# Altium PCB Module 22 PCB Routing.PcbDoc (part 2 of 2)
Units mil, origin at the board's own origin, x right, y up, seen from the top; angles counter-clockwise.
Board outline 4005 x 4000 mil, 4 copper layers (Top Layer, GND, 5V, Bottom Layer), stack 52.634 mil thick; 53 components, 70 nets, 266 pads, 42 vias.
Unrouted connection lines stored in the file: 25.
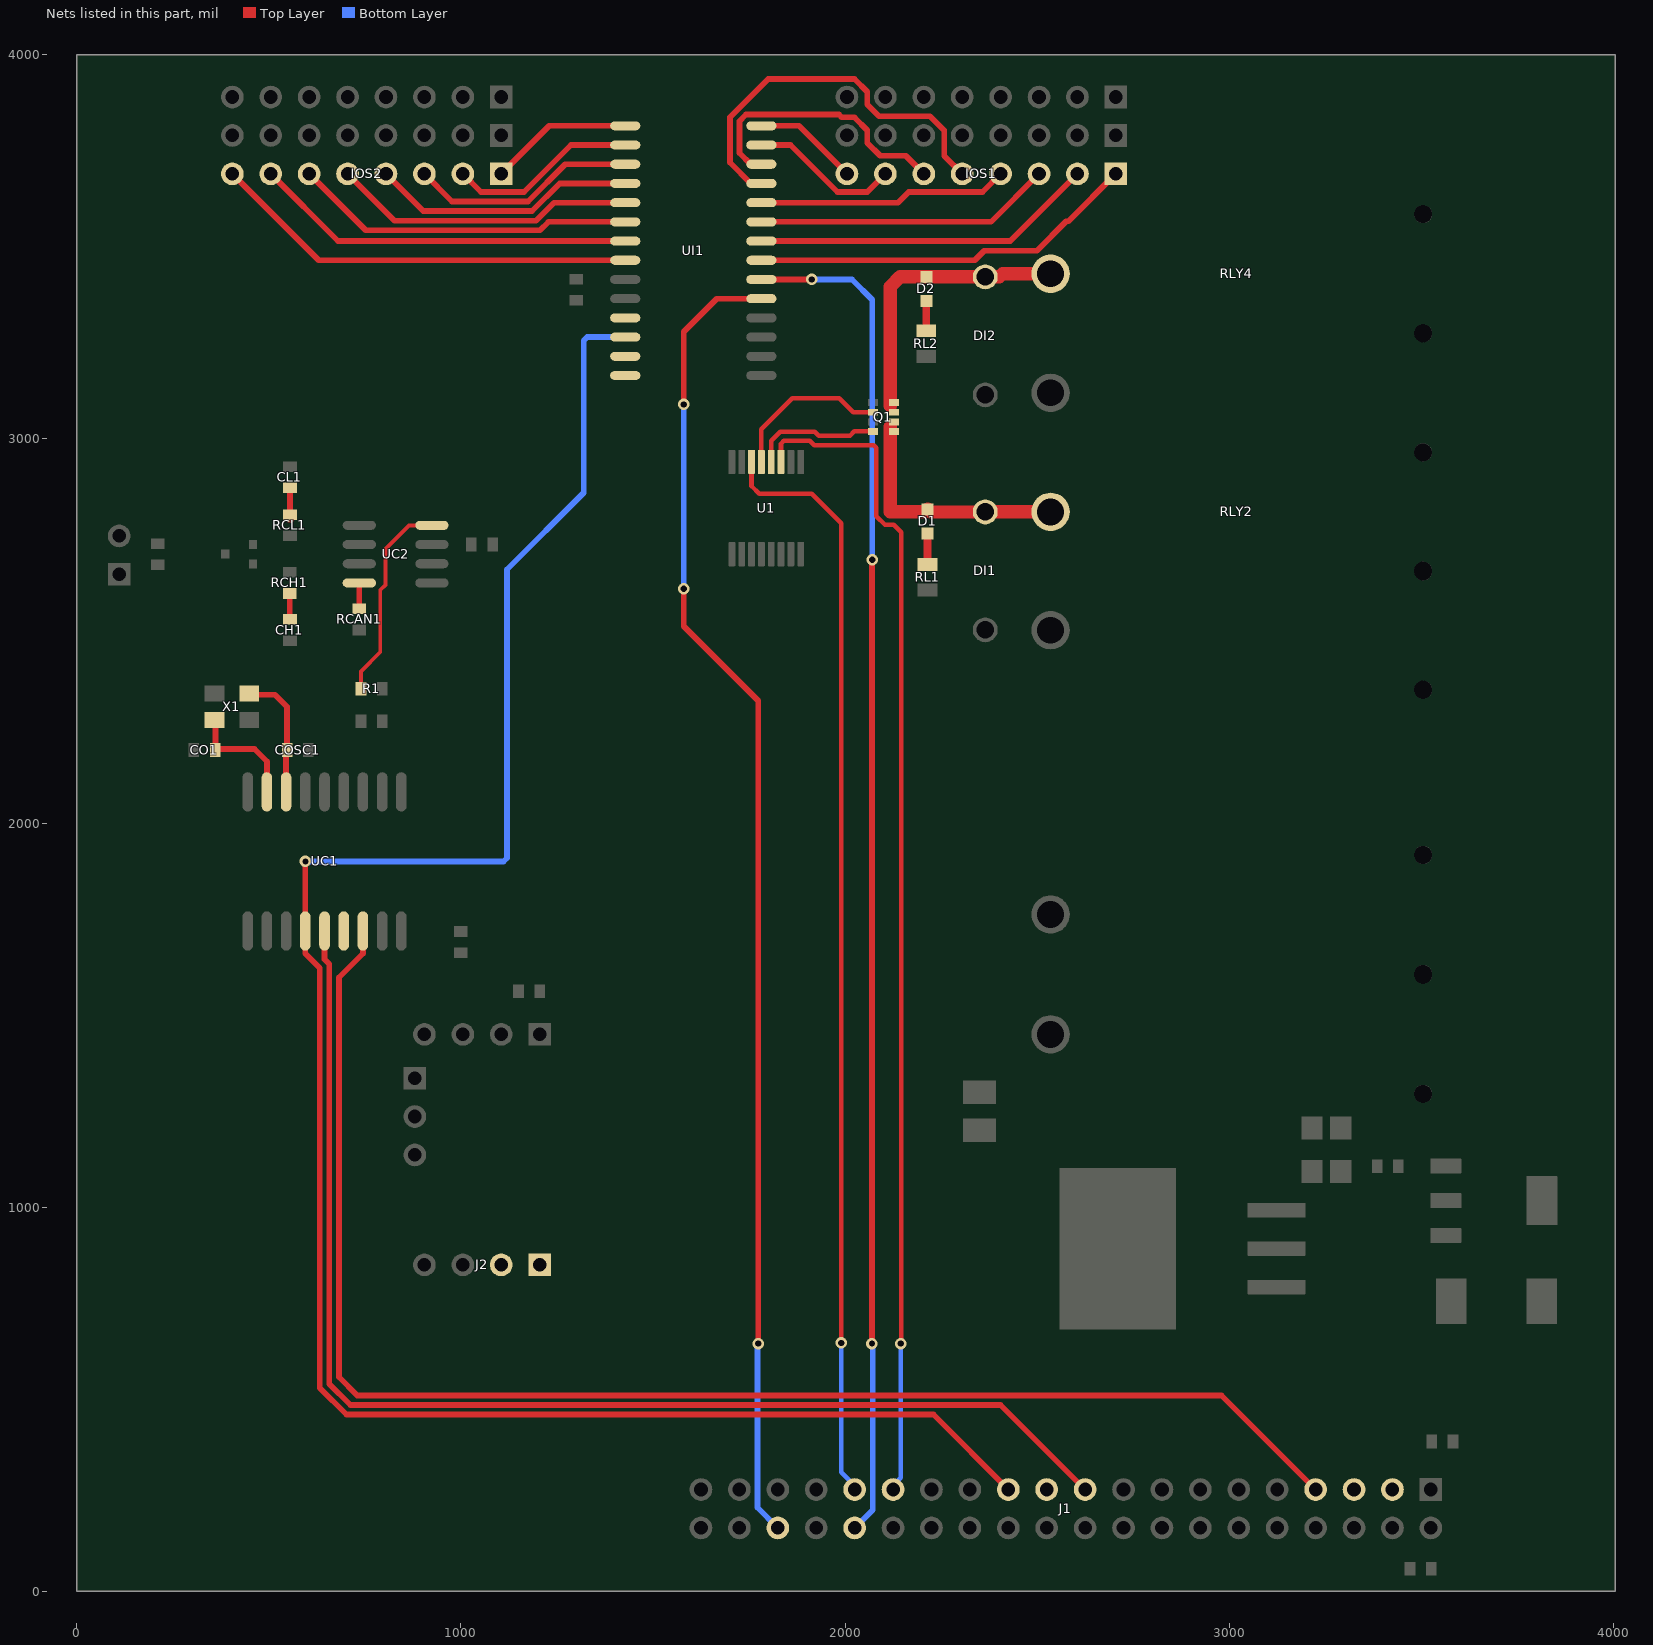
[diagram p4: the nets of this part, all layers, seen from the top]

## Via types
v1: diameter 30, hole 16, Top Layer to Bottom Layer, 25 vias
v2: diameter 25, hole 12, Top Layer to Bottom Layer, 8 vias
v3: diameter 50, hole 28, Top Layer to Bottom Layer, 5 vias
v4: diameter 244.09, hole 108.27, Top Layer to Bottom Layer, 4 vias

## Nets (pads, with @x,y where several pads share a name; then routed paths per layer and width w, separated by ;. In a path a pad name is that pad's centre, name@x,y a point inside that pad or via, vN(x,y) a via of type N, cw(c..) or ccw(c..) an arc to the next point about the centre after c; other vN are vias at no path point) (continued)
INT1: J1.32 UI1.20 | length 3528.5
  Top Layer w15: UI1.20@1782.17,3415 v1(1913.51,3415) ; v1(2070,644.73) 2070,2684.55 v1(2070.98,2685.54)
  Bottom Layer w15: v1(1913.51,3415) 2018,3415 2070.98,3362.02 v1(2070.98,2685.54) ; J1.32@2025,165 2072.03,212.03 2072.03,642.71 v1(2070,644.73)
INT2: J1.36 UI1.19 | length 3455.1
  Top Layer w15: v1(1580,2610) 1580,2512.56 1774.19,2318.37 v1(1774.19,644.73) ; v1(1580,3090) 1580,3279 1666,3365 UI1.19@1782.17,3365
  Bottom Layer w15: v1(1580,2610) v1(1580,3090) ; v1(1774.19,644.73) 1772.03,642.57 1772.03,217.97 J1.36@1825,165
IOA_0: IOS1.1 UI1.21 | length 1016
  Top Layer w15: UI1.21@1782.17,3465 2337.54,3465 2362.54,3490 2499.54,3490 2576.03,3566.49 2581.49,3566.49 IOS1.1@2705,3690
IOA_1: IOS1.2 UI1.22 | length 895.3
  Top Layer w15: UI1.22@1782.17,3515 2430,3515 IOS1.2@2605,3690
IOA_2: IOS1.3 UI1.23 | length 774.6
  Top Layer w15: UI1.23@1782.17,3565 2380,3565 IOS1.3@2505,3690
IOA_3: IOS1.4 UI1.24 | length 653.9
  Top Layer w15: UI1.24@1782.17,3615 2137.64,3615 2165.61,3642.97 2357.97,3642.97 IOS1.4@2405,3690
IOA_4: IOS1.5 UI1.25 | length 1029.1
  Top Layer w15: UI1.25@1782.17,3665 1754.61,3665 1700.3,3719.31 1700.3,3837.5 1799.83,3937.03 2024.48,3937.03 2057.97,3903.54 2057.97,3870.52 2088.49,3840 2221.51,3840 2257.97,3803.54 2257.97,3737.03 IOS1.5@2305,3690
IOA_5: IOS1.6 UI1.26 | length 721.9
  Top Layer w15: UI1.26@1782.17,3715 1754.61,3715 1725.3,3744.31 1725.3,3827.14 1742.47,3844.31 1984.18,3844.31 1991.47,3837.03 2024.48,3837.03 2057.97,3803.54 2057.97,3770.52 2091.47,3737.03 2157.97,3737.03 IOS1.6@2205,3690
IOA_6: IOS1.7 UI1.27 | length 392.9
  Top Layer w15: UI1.27@1782.17,3765 1858.08,3765 1980.11,3642.97 2057.97,3642.97 IOS1.7@2105,3690
IOA_7: IOS1.8 UI1.28 | length 274.6
  Top Layer w15: UI1.28@1782.17,3815 1880,3815 IOS1.8@2005,3690
IOB_0: IOS2.1 UI1.1 | length 374.6
  Top Layer w15: IOS2.1@1105,3690 1230,3815 UI1.1@1427.84,3815
IOB_1: IOS2.2 UI1.2 | length 492.9
  Top Layer w15: IOS2.2@1005,3690 1052.03,3642.97 1164.39,3642.97 1286.42,3765 UI1.2@1427.84,3765
IOB_2: IOS2.3 UI1.3 | length 592.9
  Top Layer w15: IOS2.3@905,3690 977.03,3617.97 1174.74,3617.97 1271.77,3715 UI1.3@1427.84,3715
IOB_3: IOS2.4 UI1.4 | length 692.9
  Top Layer w15: IOS2.4@805,3690 902.03,3592.97 1185.1,3592.97 1257.13,3665 UI1.4@1427.84,3665
IOB_4: IOS2.5 UI1.5 | length 792.9
  Top Layer w15: IOS2.5@705,3690 827.03,3567.97 1195.45,3567.97 1242.48,3615 UI1.5@1427.84,3615
IOB_5: IOS2.6 UI1.6 | length 892.9
  Top Layer w15: IOS2.6@605,3690 752.03,3542.97 1205.81,3542.97 1227.84,3565 UI1.6@1427.84,3565
IOB_6: IOS2.7 UI1.7 | length 995.3
  Top Layer w15: IOS2.7@505,3690 680,3515 UI1.7@1427.84,3515
IOB_7: IOS2.8 UI1.8 | length 1116
  Top Layer w15: IOS2.8@405,3690 630,3465 UI1.8@1427.84,3465
IOexpand_C\S\: J1.7 UC1.16 UI1.11 | length 3850.8
  Top Layer w15: UC1.16@745,1718.9 745,1660.22 682.5,1597.72 682.5,557.68 730.18,510 2980,510 J1.7@3225,265
NetCH1_1: CH1.1 RCH1.1 | length 67.9
  Top Layer w15: RCH1.1@554,2597.44 554.5,2596.94 554.5,2530.5 CH1.1@555,2530
NetCL1_2: CL1.2 RCL1.1 | length 81.2
  Top Layer w15: RCL1.1@555,2802.56 CL1.2@555,2872.44
  Top Layer w20: RCL1.1@555,2791.22 RCL1.1@555,2802.56
NetD1_1: D1.1 DI1.1 Q1.5 Q1.6 RLY2.1 | length 644.5
  Top Layer w35: 2117.99,3031.96 2117.99,2810 2208.5,2810 D1.1@2215,2816.5 2221.73,2809.76 2335,2809.76 2364.76,2809.76 DI1.1@2365,2810 RLY2.1@2535,2810
NetD1_2: D1.2 RL1.1 | length 79.8
  Top Layer w20: RL1.1@2214.76,2673.47 D1.2@2214.76,2753.27
NetD2_1: D2.1 DI2.1 Q1.7 Q1.8 RLY4.1 | length 740.9
  Top Layer w35: Q1.8@2117.99,3086.5 2117.99,3396.5 2143.27,3421.78 D2.1@2211.81,3421.78 DI2.1@2365,3421.78 2401.89,3421.78 2410.11,3430 RLY4.1@2535,3430
NetD2_2: D2.2 RL2.1 | length 77.3
  Top Layer w20: RL2.1@2211.81,3281.47 D2.2@2211.81,3358.79
NetQ1_2: Q1.2 U1.5 | length 424.7
  Top Layer w12: U1.5@1782.21,2940.08 1782.2,3025.56 1862.64,3106 1984.8,3106 2021.34,3069.46 Q1.2@2072.99,3069.46
NetQ1_4: Q1.4 U1.4 | length 338.7
  Top Layer w12: U1.4@1807.8,2940.08 1807.8,2994.86 1831.44,3018.5 1921.28,3018.5 1931.58,3008.2 2013.01,3008.2 2024.27,3019.46 Q1.4@2072.99,3019.46
NetR1_1: R1.1 UC2.4 | length 536.3
  Top Layer w10: R1.1@739.88,2350 739.88,2394.88 790,2445 790,2606.26 803.82,2620.08 803.82,2713.82 865,2775 UC2.4@924.49,2775
NetRCAN1_2: RCAN1.2 UC2.8 | length 67.7
  Top Layer w15: RCAN1.2@735,2557.56 735.51,2558.07 UC2.8@735.51,2625
OSC1: CO1.2 UC1.8 X1.1 | length 297
  Top Layer w15: X1.1@358.37,2268.11 361.21,2265.28 361.21,2202.56 371.21,2192.56 462.44,2192.56 495,2160 UC1.8@495,2081.1
OSC2: COSC1.2 UC1.7 X1.3 | length 336
  Top Layer w15: X1.3@446.96,2334.06 515.94,2334.06 547.44,2302.56 COSC1.2@547.44,2190 545,2187.56 UC1.7@545,2081.1
RELAY1: J1.29 U1.3 | length 3067
  Top Layer w12: U1.3@1833.39,2940.08 1833.39,2987.83 1840.42,2994.86 1908.5,2994.86 1919.56,2983.79 2074.56,2983.79 2081.59,2976.77 2081.59,2821.76 2081.59,2799.03 2104.12,2776.5 2126.85,2776.5 2146.19,2757.17 2146.19,645.99 v1(2144.93,644.73)
  Bottom Layer w12: J1.29@2125,265 2125,275.38 2144.93,295.31 v1(2144.93,644.73)
RELAY2: J1.31 U1.6 | length 2866.5
  Top Layer w12: U1.6@1756.61,2940.08 1756.61,2877.39 1776.31,2857.69 1913.31,2857.69 1990.19,2780.81 v1(1990.19,646.73)
  Bottom Layer w12: v1(1990.19,646.73) 1990.19,309.51 2025,274.7 J1.31@2025,265
SCL1: J1.5 J2.1
SDA1: J1.3 J2.2
SPI_MISO: J1.21 UI1.14
SPI_MOSI: J1.19 UC1.14 | length 3265.5
  Top Layer w15: UC1.14@645,1718.9 645,1645.57 657.5,1633.07 657.5,540 712.5,485 2405,485 J1.19@2625,265
SPI_MOSIA: UC1.15 UI1.13
SPI_SCLK: J1.23 UC1.13 UI1.12 | length 5358.4
  Top Layer w15: v1(595,1900) UC1.13@595,1718.9 595,1660.22 632.5,1622.72 632.5,529.64 702.15,460 2230,460 J1.23@2425,265
  Bottom Layer w15: v1(595,1900) 1111.21,1900 1120,1908.79 1120,2660 1320,2860 1320,3256.21 1328.79,3265 1427.84,3265
pads on no net: PWRN-1.MH1 PWRN-1.MH2 PWRP+1.MH1 PWRP+1.MH2 RLY1.MH1 RLY1.MH2 RLY2.MH1 RLY2.MH2 RLY3.MH1 RLY3.MH2 RLY4.MH1 RLY4.MH2 U1.10 U1.11 U1.12 U1.13 U1.14 UC1.3 UC1.4 UC1.5 UC1.6 UC1.10 UC1.11 UC2.5
copper on no net: | length 86.9
  Top Layer w15: v1(1000,1600) 1000,1644.73 ; v1(1090,1562.5) 1132.17,1562.5
  other v4: 1440.67,196.07 3724.13,196.07 1440.67,2125.2 3724.13,2125.2

## Polygon pours and split planes (outlines as drawn)
GND on GND (split plane): 3984.9,20.1 20.1,20.1 20.1,3979.9 3984.9,3979.9
5V on 5V (split plane): 3984.9,20.1 20.1,20.1 20.1,3979.9 3984.9,3979.9

## Other copper
Top Layer:
  text ".Altium Training Module" at 75,1122.42 h40 r270

## Silkscreen, mask and mechanical layers (free items; w line width, h text height)
Top Overlay:
  text "+12V  RTN RLY2" at 3970,3010 h60 r90
  text "RLY1  +12V  RTN" at 3970,2060 h60 r90
  text ".Altium Training Module" at 70,76.24 h60
1_BOARD_OUTLINE:
  the board outline again, w3
21_TITLE_BLOCK:
  drawing of 113 lines, arcs and shapes, not listed
  text "DWG. NO." at 6155.1,6215 h30
  text "REV:" at 7165.1,6215 h30
  text "6" at -4018.66,6170 h70
  text "5" at -1523,6170 h70
  text "4" at 966.34,6170 h70
  text "3" at 3473.01,6170 h70
  text "2" at 5972,6170 h70
  text "1" at 8477,6170 h70
  text ".PCB_DWG_NO" at 6370,6125 h50
  text ".PCB_REV" at 7180,6125 h50
  text "T" at -5038,6027.61 h76
  text "H" at -4994.66,6027.61 h76
  text "I" at -4944.64,6027.61 h76
  text "S" at -4924.64,6027.61 h76
  text "D" at -4859.62,6027.61 h76
  text "O" at -4809.61,6027.61 h76
  text "C" at -4754.6,6027.61 h76
  text "U" at -4704.58,6027.61 h76
  text "M" at -4654.57,6027.61 h76
  text "E" at -4596.22,6027.61 h76
  text "N" at -4549.55,6027.61 h76
  text "T" at -4501.2,6027.61 h76
  text "A" at -4437.85,6027.61 h76
  text "N" at -4391.17,6027.61 h76
  text "D" at -4341.16,6027.61 h76
  text "T" at -4272.81,6027.61 h76
  text "H" at -4229.47,6027.61 h76
  text "E" at -4179.46,6027.61 h76
  text "D" at -4114.44,6027.61 h76
  text "A" at -4064.43,6027.61 h76
  text "T" at -4017.75,6027.61 h76
  text "A" at -3976.07,6027.61 h76
  text "D" at -3909.39,6027.61 h76
  text "I" at -3859.38,6027.61 h76
  text "S" at -3841.04,6027.61 h76
  text "C" at -3794.36,6027.61 h76
  text "L" at -3744.35,6027.61 h76
  text "O" at -3706.01,6027.61 h76
  text "S" at -3650.99,6027.61 h76
  text "E" at -3604.31,6027.61 h76
  text "D" at -3557.64,6027.61 h76
  text "H" at -3489.29,6027.61 h76
  text "E" at -3439.27,6027.61 h76
  text "R" at -3392.6,6027.61 h76
  text "E" at -3344.25,6027.61 h76
  text "I" at -3297.57,6027.61 h76
  text "N" at -3277.57,6027.61 h76
  text "O" at -3209.22,6027.61 h76
  text "R" at -3154.2,6027.61 h76
  text "REVISIONS" at 7390,5995 h60
  text "H" at -5038,5947.59 h76
  text "E" at -4987.99,5947.59 h76
  text "R" at -4941.31,5947.59 h76
  text "E" at -4891.3,5947.59 h76
  text "W" at -4846.29,5947.59 h76
  text "I" at -4777.94,5947.59 h76
  text "T" at -4759.6,5947.59 h76
  text "H" at -4716.25,5947.59 h76
  text "I" at -4647.9,5947.59 h76
  text "S" at -4627.9,5947.59 h76
  text "T" at -4562.88,5947.59 h76
  text "H" at -4519.54,5947.59 h76
  text "E" at -4469.53,5947.59 h76
  text "P" at -4404.51,5947.59 h76
  text "R" at -4357.83,5947.59 h76
  text "O" at -4307.82,5947.59 h76
  text "P" at -4253.77,5947.59 h76
  text "E" at -4207.09,5947.59 h76
  text "R" at -4160.42,5947.59 h76
  text "T" at -4112.07,5947.59 h76
  text "Y" at -4068.73,5947.59 h76
  text "O" at -4003.71,5947.59 h76
  text "F" at -3950.36,5947.59 h76
  text "A" at -3887.02,5947.59 h76
  text "L" at -3840.34,5947.59 h76
  text "T" at -3803.66,5947.59 h76
  text "I" at -3760.32,5947.59 h76
  text "U" at -3740.31,5947.59 h76
  text "M" at -3690.3,5947.59 h76
  text "L" at -3613.62,5947.59 h76
  text "I" at -3575.27,5947.59 h76
  text "M" at -3555.27,5947.59 h76
  text "I" at -3498.59,5947.59 h76
  text "T" at -3478.58,5947.59 h76
  text "E" at -3435.24,5947.59 h76
  text "D" at -3388.56,5947.59 h76
  text "A" at -3320.21,5947.59 h76
  text "N" at -3273.53,5947.59 h76
  text "D" at -3223.52,5947.59 h76
  text "M" at -3153.5,5947.59 h76
  text "A" at -3095.15,5947.59 h76
  text "Y" at -3050.14,5947.59 h76
  text "ZONE" at 5805,5870 h60
  text "REV" at 6135,5870 h60
  text "DATE" at 8555,5870 h60
  text "B" at -5038,5867.57 h76
  text "E" at -4991.32,5867.57 h76
  text "F" at -4924.64,5867.57 h76
  text "R" at -4881.29,5867.57 h76
  text "E" at -4831.28,5867.57 h76
  text "E" at -4786.27,5867.57 h76
  text "L" at -4739.59,5867.57 h76
  text "Y" at -4701.25,5867.57 h76
  text "D" at -4634.57,5867.57 h76
  text "I" at -4584.56,5867.57 h76
  text "S" at -4566.22,5867.57 h76
  text "T" at -4519.54,5867.57 h76
  text "R" at -4476.89,5867.57 h76
  text "I" at -4428.54,5867.57 h76
  text "B" at -4408.54,5867.57 h76
  text "U" at -4361.86,5867.57 h76
  text "T" at -4311.85,5867.57 h76
  text "E" at -4268.5,5867.57 h76
  text "D" at -4221.82,5867.57 h76
  text "I" at -4153.47,5867.57 h76
  text "N" at -4133.47,5867.57 h76
  text "W" at -4066.79,5867.57 h76
  text "H" at -3998.44,5867.57 h76
  text "O" at -3950.09,5867.57 h76
  text "L" at -3895.08,5867.57 h76
  text "E" at -3856.73,5867.57 h76
  text "." at -3810.06,5867.57 h76
  text "N" at -3771.71,5867.57 h76
  text "O" at -3721.7,5867.57 h76
  text "R" at -3646.68,5867.57 h76
  text "I" at -3598.34,5867.57 h76
  text "G" at -3578.33,5867.57 h76
  text "H" at -3523.32,5867.57 h76
  text "T" at -3474.97,5867.57 h76
  text "S" at -3431.63,5867.57 h76
  text "A" at -3366.61,5867.57 h76
  text "R" at -3319.93,5867.57 h76
  text "E" at -3269.92,5867.57 h76
  text "DESCRIPTION" at 7150,5865 h60
  text "APPROVED" at 9060,5865 h60
  text "R" at -5038,5787.55 h76
  text "E" at -4987.99,5787.55 h76
  text "S" at -4941.31,5787.55 h76
  text "E" at -4894.63,5787.55 h76
  text "R" at -4847.95,5787.55 h76
  text "V" at -4797.94,5787.55 h76
  text "E" at -4751.26,5787.55 h76
  text "D" at -4704.58,5787.55 h76
  text "O" at -4636.23,5787.55 h76
  text "R" at -4581.22,5787.55 h76
  text "E" at -4511.2,5787.55 h76
  text "X" at -4464.53,5787.55 h76
  text "P" at -4419.51,5787.55 h76
  text "R" at -4372.84,5787.55 h76
  text "E" at -4322.82,5787.55 h76
  text "S" at -4276.15,5787.55 h76
  text "S" at -4229.47,5787.55 h76
  text "O" at -4164.45,5787.55 h76
  text "R" at -4109.44,5787.55 h76
  text "I" at -4041.09,5787.55 h76
  text "M" at -4021.08,5787.55 h76
  text "P" at -3962.74,5787.55 h76
  text "L" at -3916.06,5787.55 h76
  text "I" at -3879.38,5787.55 h76
  text "E" at -3859.38,5787.55 h76
  text "D" at -3812.7,5787.55 h76
  text "W" at -3746.02,5787.55 h76
  text "A" at -3677.67,5787.55 h76
  text "R" at -3630.99,5787.55 h76
  text "A" at -3580.97,5787.55 h76
  text "N" at -3534.3,5787.55 h76
  text "T" at -3485.95,5787.55 h76
  text "E" at -3442.61,5787.55 h76
  text "E" at -3395.93,5787.55 h76
  text "G" at -3334.68,5787.55 h76
  text "I" at -3279.66,5787.55 h76
  text "V" at -3259.66,5787.55 h76
  text "E" at -3212.98,5787.55 h76
  text "N" at -3166.3,5787.55 h76
  text "." at -3117.96,5787.55 h76
  text "A" at 6165,5735 h60
  text "ORIGINAL" at 7225,5735 h60
  text "D" at -5175,5027 h70
  text "D" at 9625,5027 h70
  text "C" at -5175,2647 h70
  text "C" at 9625,2647 h70
  text "B" at -5175,272 h70
  text "B" at 9625,272 h70
  text "DWG. NO." at 9665,-325.1 h30 r270
  text ".PCB_DWG_NO" at 9575,-540 h50 r270
  text "REV:" at 9665,-1335.1 h30 r270
  text ".PCB_REV" at 9575,-1350 h50 r270
  text "PART NO." at 3600,-1390 h45
  text ".PCB_PART_NUMBER" at 3915,-1390 h45
  text "UNLESS OTHERWISE SPECIFIED DIMENSIONS" at 3620,-1495 h45
  text "APPROVALS" at 5276,-1497.1 h45
  text "DATE" at 6136,-1497.1 h45
  text "2175 SALK AVENUE" at 8355,-1500 h45
  text "AND TOLERANCE ARE IN INCHES AND" at 3675,-1570 h45
  text "DESIGNER:" at 4956,-1577.1 h45
  text "SUITE 200" at 8355,-1590 h45
  text "APPLY TO THE FINISHED PART" at 3785,-1640 h45
  text ".PCB_DESIGNER" at 5276,-1657.1 h60
  text ".PCB_DESIGNER_APP_DATE" at 6006,-1657.1 h40
  text "CARLSBAD, CA 92008" at 8355,-1680.01 h45
  text "TOLERANCE ON:" at 4025,-1765 h45
  text "USA" at 8355,-1770 h45
  text "ENGINEER:" at 4956,-1777.1 h45
  text ".PCB_ENGINEER_APP_DATE" at 6006,-1847.1 h40
  text "2 DEC. PLACE" at 3620,-1855 h40
  text "3 DEC. PLACE" at 4075,-1855 h40
  text "ANGLES" at 4610,-1855 h40
  text ".PCB_ENGINEER" at 5276,-1857.1 h60
  text "TITLE:" at 6470,-1875 h45
  text "CHECKER:" at 4956,-1977.1 h45
  text ".PCB_2_DEC_TOL" at 3675,-2010 h60
  text ".PCB_3_DEC_TOL" at 4110,-2010 h60
  text ".PCB_ANG_TOL" at 4575,-2010 h60
  text ".PCB_CHECKER_APP_DATE" at 6004,-2051.1 h40
  text ".PCB_CHECKER" at 5276,-2057.1 h60
  text "THIRD ANGLE PROJECTION" at 2847,-2070.1 h40
  text ".Pcb_File_Name_No_Path" at 6545,-2088.33 h100
  text "A" at -5175,-2098 h70
  text "A" at 9625,-2098 h70
  text "MATERIAL:" at 3620,-2153.1 h45
  text "REFERENCE DOCUMENTS" at 5336,-2197.1 h45
  text ".Altium Training Module" at 6550,-2250 h100
  text "BOM:" at 4956,-2297.1 h45
  text "SEE NOTES" at 3986,-2352.1 h60
  text ".DOC_NO_BOM" at 5276,-2387.1 h60
  text ".Altium Training" at 6550,-2450 h80
  text "ASSY DWG:" at 4956,-2487.1 h45
  text ".DOC_NO_ASSY_DWG" at 5276,-2577.1 h60
  text "SIZE:" at 6530,-2610 h45
  text "CAGE CODE:" at 6775,-2610 h45
  text "DWG NO:" at 7775,-2610 h45
  text "REV:" at 9335,-2610 h45
  text "FAB DWG:" at 4956,-2677.1 h45
  text ".PCB_DWG_NO" at 8000,-2750 h100
  text "B" at 6570,-2755 h100
  text ".DOC_NO_FAB_DWG" at 5276,-2762.1 h60
  text ".CAGE_CODE" at 6945,-2765 h100
  text ".PCB_REV" at 9315.19,-2776.66 h100
  text "SCHEMATIC:" at 4956,-2867.1 h45
  text "Modified DATE:" at 3612,-2868.1 h45
  text "SCALE:" at 6470,-2925 h45
  text "FILE NAME:" at 7075,-2925.1 h45
  text "SHEET:" at 8815,-2925.1 h45
  text ".ModifiedDate" at 4200,-2937.1 h60
  text ".Printout_Name" at -4994,-2947 h150
  text ".DOC_NO_SCH_DWG" at 5276,-2957.1 h60
  text ".PCB_FILE_NAME_NO_PATH" at 7418,-2970.1 h60
  text ".PCB_SCALE" at 6740,-2975 h60
  text "OF" at 9265,-2975.1 h45
  text "DOC-104 REV A" at -5050,-3042.1 h20
  text "6" at -4018.66,-3130 h70
  text "5" at -1523,-3130 h70
  text "4" at 966.34,-3130 h70
  text "3" at 3473.01,-3130 h70
  text "2" at 5972,-3130 h70
  text "1" at 8477,-3130 h70
22_TITLE_BLOCK_MIRRORED:
  drawing of 113 lines, arcs and shapes, not listed
  text "REV:" at -2665.1,6215 h30
  text "DWG. NO." at -1655.1,6215 h30
  text "1" at -3977,6170 h70
  text "2" at -1472,6170 h70
  text "3" at 1026.99,6170 h70
  text "4" at 3533.66,6170 h70
  text "5" at 6023,6170 h70
  text "6" at 8518.66,6170 h70
  text ".PCB_REV" at -2680,6125 h50
  text ".PCB_DWG_NO" at -1870,6125 h50
  text "R" at 7654.2,6027.61 h76
  text "O" at 7709.22,6027.61 h76
  text "N" at 7777.57,6027.61 h76
  text "I" at 7797.57,6027.61 h76
  text "E" at 7844.25,6027.61 h76
  text "R" at 7892.59,6027.61 h76
  text "E" at 7939.27,6027.61 h76
  text "H" at 7989.29,6027.61 h76
  text "D" at 8057.64,6027.61 h76
  text "E" at 8104.31,6027.61 h76
  text "S" at 8150.99,6027.61 h76
  text "O" at 8206.01,6027.61 h76
  text "L" at 8244.35,6027.61 h76
  text "C" at 8294.36,6027.61 h76
  text "S" at 8341.04,6027.61 h76
  text "I" at 8359.38,6027.61 h76
  text "D" at 8409.39,6027.61 h76
  text "A" at 8476.07,6027.61 h76
  text "T" at 8517.75,6027.61 h76
  text "A" at 8564.43,6027.61 h76
  text "D" at 8614.44,6027.61 h76
  text "E" at 8679.45,6027.61 h76
  text "H" at 8729.47,6027.61 h76
  text "T" at 8772.81,6027.61 h76
  text "D" at 8841.16,6027.61 h76
  text "N" at 8891.17,6027.61 h76
  text "A" at 8937.85,6027.61 h76
  text "T" at 9001.2,6027.61 h76
  text "N" at 9049.55,6027.61 h76
  text "E" at 9096.22,6027.61 h76
  text "M" at 9154.57,6027.61 h76
  text "U" at 9204.58,6027.61 h76
  text "C" at 9254.6,6027.61 h76
  text "O" at 9309.61,6027.61 h76
  text "D" at 9359.62,6027.61 h76
  text "S" at 9424.64,6027.61 h76
  text "I" at 9444.64,6027.61 h76
  text "H" at 9494.66,6027.61 h76
  text "T" at 9538,6027.61 h76
  text "REVISIONS" at -2890,5995 h60
  text "Y" at 7550.14,5947.59 h76
  text "A" at 7595.15,5947.59 h76
  text "M" at 7653.5,5947.59 h76
  text "D" at 7723.52,5947.59 h76
  text "N" at 7773.53,5947.59 h76
  text "A" at 7820.21,5947.59 h76
  text "D" at 7888.56,5947.59 h76
  text "E" at 7935.24,5947.59 h76
  text "T" at 7978.58,5947.59 h76
  text "I" at 7998.59,5947.59 h76
  text "M" at 8055.27,5947.59 h76
  text "I" at 8075.27,5947.59 h76
  text "L" at 8113.61,5947.59 h76
  text "M" at 8190.3,5947.59 h76
  text "U" at 8240.31,5947.59 h76
  text "I" at 8260.32,5947.59 h76
  text "T" at 8303.66,5947.59 h76
  text "L" at 8340.34,5947.59 h76
  text "A" at 8387.02,5947.59 h76
  text "F" at 8450.36,5947.59 h76
  text "O" at 8503.71,5947.59 h76
  text "Y" at 8568.73,5947.59 h76
  text "T" at 8612.07,5947.59 h76
  text "R" at 8660.42,5947.59 h76
  text "E" at 8707.09,5947.59 h76
  text "P" at 8753.77,5947.59 h76
  text "O" at 8807.82,5947.59 h76
  text "R" at 8857.83,5947.59 h76
  text "P" at 8904.51,5947.59 h76
  text "E" at 8969.53,5947.59 h76
  text "H" at 9019.54,5947.59 h76
  text "T" at 9062.88,5947.59 h76
  text "S" at 9127.9,5947.59 h76
  text "I" at 9147.9,5947.59 h76
  text "H" at 9216.25,5947.59 h76
  text "T" at 9259.6,5947.59 h76
  text "I" at 9277.94,5947.59 h76
  text "W" at 9346.29,5947.59 h76
  text "E" at 9391.3,5947.59 h76
  text "R" at 9441.31,5947.59 h76
  text "E" at 9487.99,5947.59 h76
  text "H" at 9538,5947.59 h76
  text "DATE" at -4055,5870 h60
  text "REV" at -1635,5870 h60
  text "ZONE" at -1305,5870 h60
  text "E" at 7769.92,5867.57 h76
  text "R" at 7819.93,5867.57 h76
  text "A" at 7866.61,5867.57 h76
  text "S" at 7931.63,5867.57 h76
  text "T" at 7974.97,5867.57 h76
  text "H" at 8023.32,5867.57 h76
  text "G" at 8078.33,5867.57 h76
  text "I" at 8098.34,5867.57 h76
  text "R" at 8146.68,5867.57 h76
  text "O" at 8221.7,5867.57 h76
  text "N" at 8271.71,5867.57 h76
  text "." at 8310.05,5867.57 h76
  text "E" at 8356.73,5867.57 h76
  text "L" at 8395.08,5867.57 h76
  text "O" at 8450.09,5867.57 h76
  text "H" at 8498.43,5867.57 h76
  text "W" at 8566.78,5867.57 h76
  text "N" at 8633.47,5867.57 h76
  text "I" at 8653.47,5867.57 h76
  text "D" at 8721.82,5867.57 h76
  text "E" at 8768.5,5867.57 h76
  text "T" at 8811.85,5867.57 h76
  text "U" at 8861.86,5867.57 h76
  text "B" at 8908.54,5867.57 h76
  text "I" at 8928.54,5867.57 h76
  text "R" at 8976.89,5867.57 h76
  text "T" at 9019.54,5867.57 h76
  text "S" at 9066.22,5867.57 h76
  text "I" at 9084.55,5867.57 h76
  text "D" at 9134.57,5867.57 h76
  text "Y" at 9201.25,5867.57 h76
  text "L" at 9239.59,5867.57 h76
  text "E" at 9286.27,5867.57 h76
  text "E" at 9331.28,5867.57 h76
  text "R" at 9381.29,5867.57 h76
  text "F" at 9424.64,5867.57 h76
  text "E" at 9491.32,5867.57 h76
  text "B" at 9538,5867.57 h76
  text "APPROVED" at -4560,5865 h60
  text "DESCRIPTION" at -2650,5865 h60
  text "." at 7617.96,5787.55 h76
  text "N" at 7666.3,5787.55 h76
  text "E" at 7712.98,5787.55 h76
  text "V" at 7759.66,5787.55 h76
  text "I" at 7779.66,5787.55 h76
  text "G" at 7834.68,5787.55 h76
  text "E" at 7895.93,5787.55 h76
  text "E" at 7942.61,5787.55 h76
  text "T" at 7985.95,5787.55 h76
  text "N" at 8034.3,5787.55 h76
  text "A" at 8080.97,5787.55 h76
  text "R" at 8130.99,5787.55 h76
  text "A" at 8177.66,5787.55 h76
  text "W" at 8246.02,5787.55 h76
  text "D" at 8312.7,5787.55 h76
  text "E" at 8359.38,5787.55 h76
  text "I" at 8379.38,5787.55 h76
  text "L" at 8416.06,5787.55 h76
  text "P" at 8462.73,5787.55 h76
  text "M" at 8521.08,5787.55 h76
  text "I" at 8541.09,5787.55 h76
  text "R" at 8609.44,5787.55 h76
  text "O" at 8664.45,5787.55 h76
  text "S" at 8729.47,5787.55 h76
  text "S" at 8776.15,5787.55 h76
  text "E" at 8822.82,5787.55 h76
  text "R" at 8872.84,5787.55 h76
  text "P" at 8919.51,5787.55 h76
  text "X" at 8964.53,5787.55 h76
  text "E" at 9011.2,5787.55 h76
  text "R" at 9081.22,5787.55 h76
  text "O" at 9136.23,5787.55 h76
  text "D" at 9204.58,5787.55 h76
  text "E" at 9251.26,5787.55 h76
  text "V" at 9297.94,5787.55 h76
  text "R" at 9347.95,5787.55 h76
  text "E" at 9394.63,5787.55 h76
  text "S" at 9441.31,5787.55 h76
  text "E" at 9487.99,5787.55 h76
  text "R" at 9538,5787.55 h76
  text "ORIGINAL" at -2725,5735 h60
  text "A" at -1665,5735 h60
  text "D" at -5125,5027 h70
  text "D" at 9675,5027 h70
  text "C" at -5125,2647 h70
  text "C" at 9675,2647 h70
  text "B" at -5125,272 h70
  text "B" at 9675,272 h70
  text "DWG. NO." at -5165,-325.1 h30 r90
  text ".PCB_DWG_NO" at -5075,-540 h50 r90
  text "REV:" at -5165,-1335.1 h30 r90
  text ".PCB_REV" at -5075,-1350 h50 r90
  text ".PCB_PART_NUMBER" at 585,-1390 h45
  text "PART NO." at 900,-1390 h45
  text "UNLESS OTHERWISE SPECIFIED DIMENSIONS" at 880,-1495 h45
  text "DATE" at -1636,-1497.1 h45
  text "APPROVALS" at -776,-1497.1 h45
  text "2175 SALK AVENUE" at -3855,-1500 h45
  text "AND TOLERANCE ARE IN INCHES AND" at 825,-1570 h45
  text "DESIGNER:" at -456,-1577.1 h45
  text "SUITE 200" at -3855,-1590 h45
  text "APPLY TO THE FINISHED PART" at 715,-1640 h45
  text ".PCB_DESIGNER_APP_DATE" at -1508,-1657.1 h40
  text ".PCB_DESIGNER" at -778,-1657.1 h60
  text "CARLSBAD, CA 92008" at -3855,-1680.01 h45
  text "TOLERANCE ON:" at 475,-1765 h45
  text "USA" at -3855,-1770 h45
  text "ENGINEER:" at -456,-1777.1 h45
  text ".PCB_ENGINEER_APP_DATE" at -1508,-1847.1 h40
  text "ANGLES" at -110,-1855 h40
  text "3 DEC. PLACE" at 425,-1855 h40
  text "2 DEC. PLACE" at 880,-1855 h40
  text ".PCB_ENGINEER" at -778,-1857.1 h60
  text "TITLE:" at -1970,-1875 h45
  text "CHECKER:" at -456,-1977.1 h45
  text ".PCB_ANG_TOL" at -75,-2010 h60
  text ".PCB_3_DEC_TOL" at 390,-2010 h60
  text ".PCB_2_DEC_TOL" at 825,-2010 h60
  text ".Pcb_File_Name_No_Path" at -2110,-2050 h100
  text ".PCB_CHECKER_APP_DATE" at -1506,-2051.1 h40
  text ".PCB_CHECKER" at -778,-2057.1 h60
  text "THIRD ANGLE PROJECTION" at 1653,-2070.1 h40
  text "A" at -5125,-2098 h70
  text "A" at 9675,-2098 h70
  text "MATERIAL:" at 880,-2153.1 h45
  text "REFERENCE DOCUMENTS" at -836,-2197.1 h45
  text ".Altium Training Module" at -2110,-2250 h100
  text "BOM:" at -456,-2297.1 h45
  text "SEE NOTES" at 514,-2352.1 h60
  text ".DOC_NO_BOM" at -776,-2387.1 h60
  text ".Altium Training" at -2110,-2450 h80
  text "ASSY DWG:" at -456,-2487.1 h45
  text ".DOC_NO_ASSY_DWG" at -776,-2577.1 h60
  text "REV:" at -4835,-2610 h45
  text "DWG NO:" at -3275,-2610 h45
  text "CAGE CODE:" at -2275,-2610 h45
  text "SIZE:" at -2030,-2610 h45
  text "FAB DWG:" at -456,-2677.1 h45
  text ".PCB_DWG_NO" at -3500,-2750 h100
  text "B" at -2070,-2755 h100
  text ".DOC_NO_FAB_DWG" at -776,-2762.1 h60
  text ".CAGE_CODE" at -2445,-2765 h100
  text ".PCB_REV" at -4815.19,-2771.66 h100
  text "SCHEMATIC:" at -456,-2867.1 h45
  text "PRINT DATE:" at 888,-2868.1 h45
  text "SHEET:" at -4315,-2925.1 h45
  text "FILE NAME:" at -2575,-2925.1 h45
  text "SCALE:" at -1970,-2925 h45
  text ".PRINT_DATE" at 480,-2937.1 h60
  text ".Printout_Name" at 9494,-2947 h150
  text ".DOC_NO_SCH_DWG" at -776,-2957.1 h60
  text ".PCB_FILE_NAME_NO_PATH" at -2918,-2970.1 h60
  text "OF" at -4765,-2975.1 h45
  text ".PCB_SCALE" at -2240,-2975 h60
  text "DOC-104 REV A" at 9550,-3042.1 h20
  text "1" at -3977,-3130 h70
  text "2" at -1472,-3130 h70
  text "3" at 1026.99,-3130 h70
  text "4" at 3533.66,-3130 h70
  text "5" at 6023,-3130 h70
  text "6" at 8518.66,-3130 h70

## Dimensions
0,0 to 1440.67,2125.2 on 2_DIMENSION
0,0 to 1440.67,196.07 on 2_DIMENSION
0,0 to 3724.13,196.07 on 2_DIMENSION
0,0 to 1440.67,196.07 on 2_DIMENSION
0,0 to 0,4000 on 2_DIMENSION
0,0 to 4005,0 on 2_DIMENSION

## Text inside footprints (layer, text, board x,y; h text height)
J1: Top Overlay "1" at 3625,285 h50 r180; Top Overlay "2" at 3625,185 h50 r180; Top Overlay "40" at 1545,185 h50 r180; Top Overlay "39" at 1545,285 h50 r180